# Altium PCB H19R1.PcbDoc (continued)
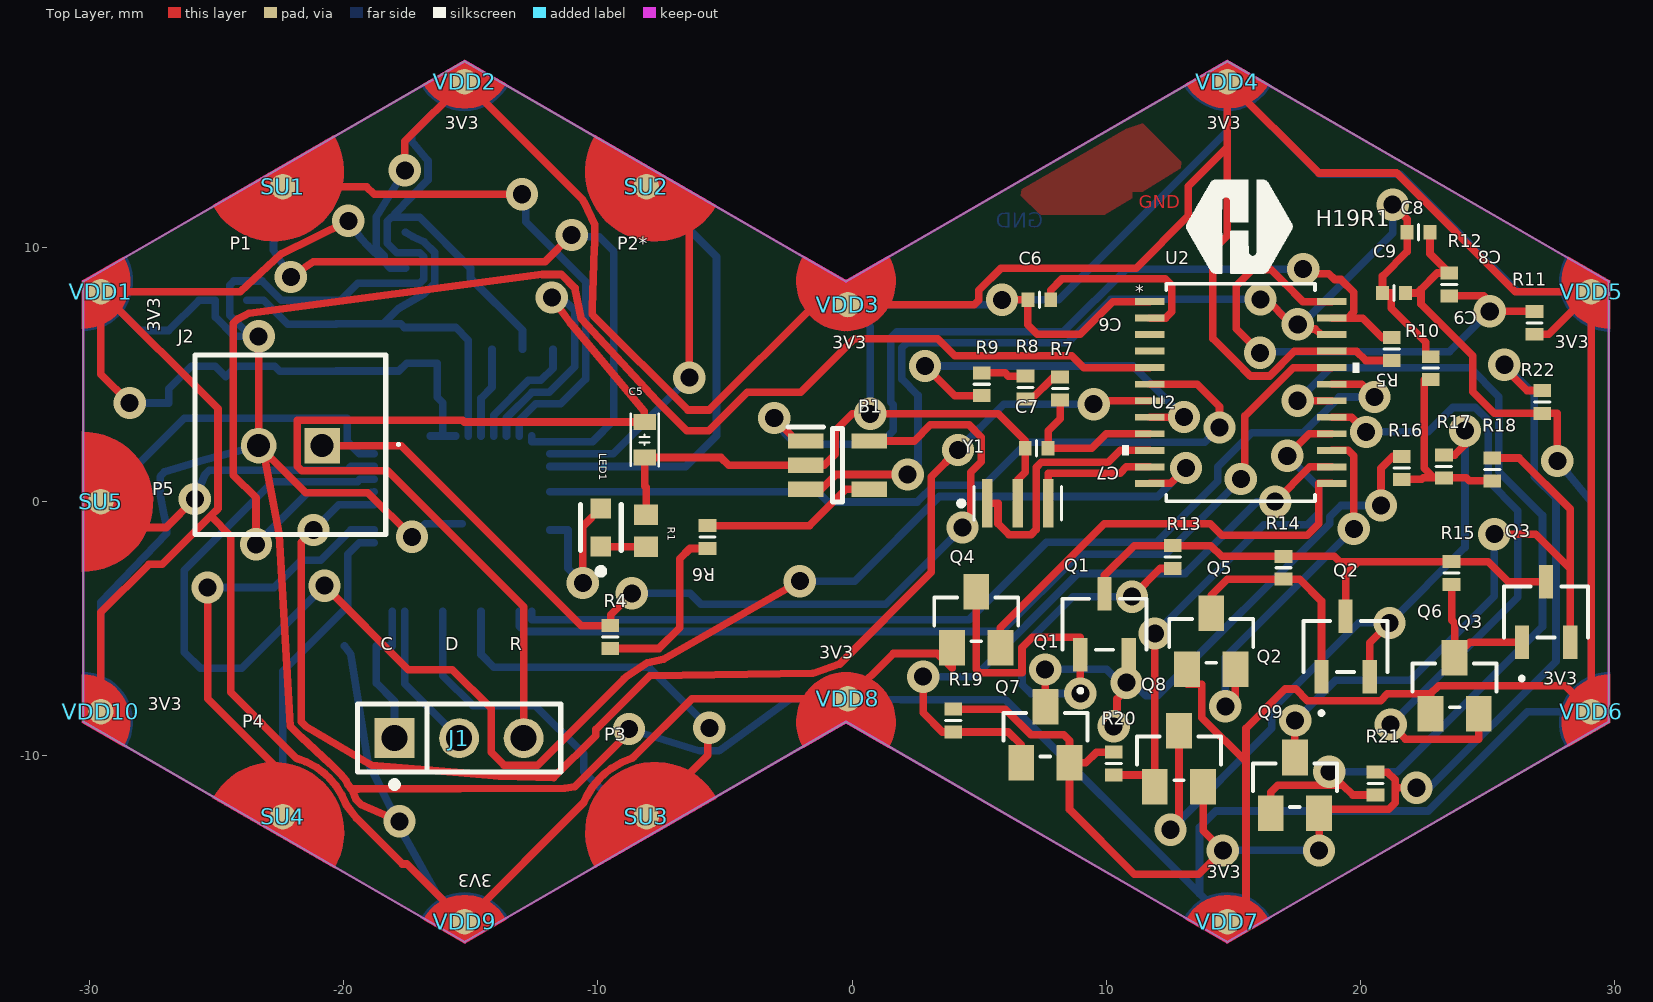
[diagram p0: Top Layer view]
## Part data (continued)
R1: library part "generic Resistor", "Res Thick Film 0603 270 Ohm 5% 0.1W(1/10W) ±200ppm/C Pad SMD Automotive T/R", Case Code (Imperial)=0603, Manufacturer=Panasonic, Manufacturer Part Number=ERJ-3GEYJ271V, Max Operating Temperature=155°C, Max Power Dissipation=100mW, Min Operating Temperature=-55°C, Temperature Coefficient=200ppm/°C, Tolerance=5%, Voltage Rating=75V, Case/Package=0603, Category="Chip SMD Resistors", ComponentLink1Description=https://datasheet.octopart.com:443/ERJ-3GEYJ271V-Panasonic-datasheet-13266872.pdf?src-supplier=RS+(Formerly+Allied+Electronics), ComponentLink1URL=https://datasheet.octopart.com:443/ERJ-3GEYJ271V-Panasonic-datasheet-13266872.pdf?src-supplier=RS+(Formerly+Allied+Electronics), ComponentLink2Description=https://datasheet.octopart.com:443/ERJ-3GEYJ271V-Panasonic-datasheet-5314550.pdf?src-supplier=Future+Electronics, ComponentLink2URL=https://datasheet.octopart.com:443/ERJ-3GEYJ271V-Panasonic-datasheet-5314550.pdf?src-supplier=Future+Electronics, ComponentLink3Description=https://datasheet.octopart.com:443/ERJ-3GEYJ271V-Panasonic-datasheet-61114972.pdf?src-supplier=Panasonic+SCT, ComponentLink3URL=https://datasheet.octopart.com:443/ERJ-3GEYJ271V-Panasonic-datasheet-61114972.pdf?src-supplier=Panasonic+SCT, ComponentLink4Description=https://datasheet.octopart.com:443/ERJ-3GEYJ271V-Panasonic-datasheet-147443676.pdf?src-supplier=Master+Electronics, ComponentLink4URL=https://datasheet.octopart.com:443/ERJ-3GEYJ271V-Panasonic-datasheet-147443676.pdf?src-supplier=Master+Electronics, ComponentLink5Description=https://datasheet.octopart.com:443/ERJ-3GEYJ271V-Panasonic-datasheet-10554283.pdf?src-supplier=element14+APAC, ComponentLink5URL=https://datasheet.octopart.com:443/ERJ-3GEYJ271V-Panasonic-datasheet-10554283.pdf?src-supplier=element14+APAC, ComponentLink6Description=https://datasheet.octopart.com:443/ERJ3GEYJ271V-Panasonic-datasheet-165581512.pdf?src-supplier=TME, ComponentLink6URL=https://datasheet.octopart.com:443/ERJ3GEYJ271V-Panasonic-datasheet-165581512.pdf?src-supplier=TME, ComponentLink7Description=https://datasheet.octopart.com:443/ERJ-3GEYJ271V-Panasonic-datasheet-164353788.pdf?src-supplier=Newark, ComponentLink7URL=https://datasheet.octopart.com:443/ERJ-3GEYJ271V-Panasonic-datasheet-164353788.pdf?src-supplier=Newark, ComponentLink8Description=https://datasheet.octopart.com:443/ERJ3GEYJ271V-Panasonic-datasheet-136608608.pdf?src-supplier=Farnell, ComponentLink8URL=https://datasheet.octopart.com:443/ERJ3GEYJ271V-Panasonic-datasheet-136608608.pdf?src-supplier=Farnell, ComponentLink9Description=https://datasheet.octopart.com:443/ERJ-3GEYJ271V-Panasonic---ECG-datasheet-15994758.pdf?src-supplier=Farnell, ComponentLink9URL=https://datasheet.octopart.com:443/ERJ-3GEYJ271V-Panasonic---ECG-datasheet-15994758.pdf?src-supplier=Farnell, ComponentLink10Description=https://datasheet.octopart.com:443/ERJ-3GEYJ271V-Panasonic-datasheet-5313456.pdf?src-supplier=Farnell, ComponentLink10URL=https://datasheet.octopart.com:443/ERJ-3GEYJ271V-Panasonic-datasheet-5313456.pdf?src-supplier=Farnell, ComponentLink11Description=https://datasheet.octopart.com/ERJ-3GEYJ271V-Panasonic-datasheet-78375410.pdf, ComponentLink11URL=https://datasheet.octopart.com/ERJ-3GEYJ271V-Panasonic-datasheet-78375410.pdf, ComponentLink12Description=https://datasheet.octopart.com/Thick-Film-Chip-Resistors-Panasonic-datasheet-family-105.pdf, ComponentLink12URL=https://datasheet.octopart.com/Thick-Film-Chip-Resistors-Panasonic-datasheet-family-105.pdf, ComponentLink13Description=https://datasheet.octopart.com:443/ERJ-3GEYJ271V-Panasonic-datasheet-7538305.pdf?src-supplier=Jameco, ComponentLink13URL=https://datasheet.octopart.com:443/ERJ-3GEYJ271V-Panasonic-datasheet-7538305.pdf?src-supplier=Jameco, ComponentLink14Description=https://datasheet.octopart.com:443/ERJ-3GEYJ271V-Panasonic-datasheet-118655.pdf?src-supplier=DigiKey, ComponentLink14URL=https://datasheet.octopart.com:443/ERJ-3GEYJ271V-Panasonic-datasheet-118655.pdf?src-supplier=DigiKey, ComponentLink15Description=https://datasheet.octopart.com:443/ERJ3GEYJ271V-Panasonic-datasheet-27908757.pdf?src-supplier=Electro+Sonic, ComponentLink15URL=https://datasheet.octopart.com:443/ERJ3GEYJ271V-Panasonic-datasheet-27908757.pdf?src-supplier=Electro+Sonic, ComponentLink16Description=https://datasheet.octopart.com:443/ERJ-3GEYJ271V-Panasonic-datasheet-37173568.pdf?src-supplier=Electro+Sonic, ComponentLink16URL=https://datasheet.octopart.com:443/ERJ-3GEYJ271V-Panasonic-datasheet-37173568.pdf?src-supplier=Electro+Sonic, Composition="Thick Film", Contact Plating=Tin, Depth=800µm, Features="Automotive AEC-Q200", Height=450µm, Lead Free="Lead Free", Length=1.6mm, Library=Hexabitz, Lifecycle Status=Production, Military Standard=Not, Mounting Technology="Surface Mount", Number of Terminals=2, Number of Terminations=2, Packaging="Cut Tape", Power Dissipation=100mW, Power Rating=100mW, Pricing="5000=0.00355, 10000=0.00348, 20000=0.00342, 30000=0.00335, 40000=0.00329 (USD)", Radiation Hardening=No, REACH SVHC=Yes, RoHS=Compliant, Schedule B="8533210045, 8533210045|8533210045|8533210045|8533210045|8533210045|8533210045|8533210045|8533210045|8533210045|8533210045|8533210045|8533210045|8533210045|8533210045|8533210045|8533210045|8533210045|8533210045|8533210045|8533210045|8533210045|8533210045|8533210045|85", Stock=45000, Supplier=Avnet, Supplier Part Number=ERJ-3GEYJ271V, Termination=SMD/SMT, Voltage Rating (DC)=75V, Width=800µm, Working Voltage=75V
R2: library part "generic Resistor", Library=Hexabitz
R3: library part "generic Resistor", "100mW Thick Film Resistors ±100ppm/℃ ±1% 10kΩ 0603 Chip Resistor - Surface Mount ROHS", Case Code (Imperial)=0603, Manufacturer="Yageo Group", Manufacturer Part Number=RC0603FR-0710KL, Max Operating Temperature=155°C, Min Operating Temperature=-55°C, Power Dissipation=100mW, Supplier Part Number=4023214, Temperature Coefficient=100ppm/°C, Tolerance=1%, Voltage Rating=75V, Voltage Rating (DC)=50V, Case Code (Metric)=0603, Case/Package=0603, Category="Chip SMD Resistors", China RoHS=Non-Compliant, ComponentLink1Description=https://datasheet.octopart.com:443/RC0603FR-0710KL-Yageo-datasheet-175887523.pdf?src-supplier=IHS, ComponentLink1URL=https://datasheet.octopart.com:443/RC0603FR-0710KL-Yageo-datasheet-175887523.pdf?src-supplier=IHS, ComponentLink2Description=https://datasheet.octopart.com:443/RC0603FR-0710KL-Yageo-datasheet-103092701.pdf?src-supplier=Upverter, ComponentLink2URL=https://datasheet.octopart.com:443/RC0603FR-0710KL-Yageo-datasheet-103092701.pdf?src-supplier=Upverter, ComponentLink3Description=https://datasheet.octopart.com:443/RC0603FR-0710KL-Yageo-datasheet-98239111.pdf?src-supplier=Upverter, ComponentLink3URL=https://datasheet.octopart.com:443/RC0603FR-0710KL-Yageo-datasheet-98239111.pdf?src-supplier=Upverter, ComponentLink4Description=https://datasheet.octopart.com:443/RC0603FR-0710KL-Yageo-datasheet-141265859.pdf?src-supplier=Upverter, ComponentLink4URL=https://datasheet.octopart.com:443/RC0603FR-0710KL-Yageo-datasheet-141265859.pdf?src-supplier=Upverter, ComponentLink5Description=https://sigma.octopart.com:443/138820526/technical_drawing/Yageo-RC0603FR-0710KL.pdf?src-supplier=Upverter, ComponentLink5URL=https://sigma.octopart.com:443/138820526/technical_drawing/Yageo-RC0603FR-0710KL.pdf?src-supplier=Upverter, ComponentLink6Description=https://datasheet.octopart.com:443/RC0603FR-0710KL-Yageo-datasheet-8328172.pdf?src-supplier=Farnell, ComponentLink6URL=https://datasheet.octopart.com:443/RC0603FR-0710KL-Yageo-datasheet-8328172.pdf?src-supplier=Farnell, ComponentLink7Description=https://datasheet.octopart.com:443/RC0603FR-0710KL-Yageo-datasheet-13691069.pdf?src-supplier=Farnell, ComponentLink7URL=https://datasheet.octopart.com:443/RC0603FR-0710KL-Yageo-datasheet-13691069.pdf?src-supplier=Farnell, ComponentLink8Description=https://datasheet.octopart.com:443/RC0603FR-0710KL-Yageo-datasheet-62067350.pdf?src-supplier=element14+APAC, ComponentLink8URL=https://datasheet.octopart.com:443/RC0603FR-0710KL-Yageo-datasheet-62067350.pdf?src-supplier=element14+APAC, ComponentLink9Description=https://datasheet.octopart.com:443/RC0603FR-0710KL-Yageo-datasheet-17842380.pdf?src-supplier=element14+APAC, ComponentLink9URL=https://datasheet.octopart.com:443/RC0603FR-0710KL-Yageo-datasheet-17842380.pdf?src-supplier=element14+APAC, ComponentLink10Description=https://datasheet.octopart.com:443/RC0603FR-0710KL-Yageo-datasheet-15599030.pdf?src-supplier=Future+Electronics, ComponentLink10URL=https://datasheet.octopart.com:443/RC0603FR-0710KL-Yageo-datasheet-15599030.pdf?src-supplier=Future+Electronics, ComponentLink11Description=https://datasheet.octopart.com:443/RC0603FR-0710KL-Yageo-datasheet-164759695.pdf?src-supplier=Future+Electronics, ComponentLink11URL=https://datasheet.octopart.com:443/RC0603FR-0710KL-Yageo-datasheet-164759695.pdf?src-supplier=Future+Electronics, ComponentLink12Description=https://datasheet.octopart.com:443/RC0603FR-0710KL-Yageo-datasheet-127823281.pdf?src-supplier=Future+Electronics, ComponentLink12URL=https://datasheet.octopart.com:443/RC0603FR-0710KL-Yageo-datasheet-127823281.pdf?src-supplier=Future+Electronics, ComponentLink13Description=https://datasheet.octopart.com:443/RC0603FR-0710KL-Yageo-datasheet-137700087.pdf?src-supplier=Future+Electronics, ComponentLink13URL=https://datasheet.octopart.com:443/RC0603FR-0710KL-Yageo-datasheet-137700087.pdf?src-supplier=Future+Electronics, ComponentLink14Description=https://datasheet.octopart.com:443/RC0603FR-0710KL-Yageo-datasheet-27584510.pdf?src-supplier=Future+Electronics, ComponentLink14URL=https://datasheet.octopart.com:443/RC0603FR-0710KL-Yageo-datasheet-27584510.pdf?src-supplier=Future+Electronics, ComponentLink15Description=https://datasheet.octopart.com:443/RC0603FR-0710KL-Yageo-datasheet-8324193.pdf?src-supplier=Future+Electronics, ComponentLink15URL=https://datasheet.octopart.com:443/RC0603FR-0710KL-Yageo-datasheet-8324193.pdf?src-supplier=Future+Electronics, ComponentLink16Description=https://datasheet.octopart.com:443/RC0603FR-0710KL-Yageo-datasheet-12596169.pdf?src-supplier=Newark, ComponentLink16URL=https://datasheet.octopart.com:443/RC0603FR-0710KL-Yageo-datasheet-12596169.pdf?src-supplier=Newark, ComponentLink17Description=https://datasheet.octopart.com:443/RC0603FR-0710KL-Yageo-datasheet-503470.pdf?src-supplier=Newark, ComponentLink17URL=https://datasheet.octopart.com:443/RC0603FR-0710KL-Yageo-datasheet-503470.pdf?src-supplier=Newark, ComponentLink18Description=https://datasheet.octopart.com:443/RC0603FR-0710KL-Yageo-datasheet-34211833.pdf?src-supplier=Newark, ComponentLink18URL=https://datasheet.octopart.com:443/RC0603FR-0710KL-Yageo-datasheet-34211833.pdf?src-supplier=Newark, ComponentLink19Description=https://datasheet.octopart.com:443/RC0603FR-0710KL-Yageo-datasheet-79472498.pdf?src-supplier=Megastar, ComponentLink19URL=https://datasheet.octopart.com:443/RC0603FR-0710KL-Yageo-datasheet-79472498.pdf?src-supplier=Megastar, ComponentLink20Description=https://datasheet.octopart.com/RC0603FR-0710KL-Yageo-datasheet-73766026.pdf, ComponentLink20URL=https://datasheet.octopart.com/RC0603FR-0710KL-Yageo-datasheet-73766026.pdf, ComponentLink21Description=https://datasheet.octopart.com:443/RC0603FR-0710KL-Yageo-datasheet-118562.pdf?src-supplier=DigiKey, ComponentLink21URL=https://datasheet.octopart.com:443/RC0603FR-0710KL-Yageo-datasheet-118562.pdf?src-supplier=DigiKey, ComponentLink22Description=http://sigma.octopart.com:80/rohs_statement/Yageo-company-2.pdf?src-supplier=Compliance+Statements, ComponentLink22URL=http://sigma.octopart.com:80/rohs_statement/Yageo-company-2.pdf?src-supplier=Compliance+Statements, ComponentLink23Description=http://sigma.octopart.com:80/conflict_mineral_statement/Yageo-company-3.pdf?src-supplier=Compliance+Statements, ComponentLink23URL=http://sigma.octopart.com:80/conflict_mineral_statement/Yageo-company-3.pdf?src-supplier=Compliance+Statements, Composition="Thick Film", Depth=800µm, Height=450µm, Lead Free="Lead Free", Lead Pitch=300µm, Length=1.6mm, Library=Hexabitz, Lifecycle Status=Production, Military Standard=Not, Mounting Technology="Surface Mount", Number of Terminals=2, Packaging="Tape & Reel", Pins=2, Power Rating=100mW, Pricing="5000=0.001, 25000=0.001, 150000=0.001, 500000=0.0009, 1500000=0.0009 (USD)", REACH SVHC=Yes, RoHS=Compliant, Schedule B="8533210045, 8533210045|8533210045|8533210045|8533210045|8533210045|8533210045|8533210045|8533210045|8533210045|8533210045|8533210045|8533210045|8533210045|8533210045|8533210045|8533210045|8533210045|8533210045|8533210045|8533210045|8533210045|8533210045|8533210045|85", Stock=22990000, Supplier="Future Electronics", Termination=SMD/SMT, Weight=2.012816mg, Width=800µm, Working Voltage=75V
R4 R6 R7 R8 R16 R17 R18: "Res Thick Film 0402 100K Ohm 1% 1/10W ±100ppm/°C Molded SMD Punched Carrier T/R", Case Code (Imperial)=0402, Case Code (Metric)=1005, Manufacturer=Panasonic, Max Operating Temperature=155°C, Min Operating Temperature=-55°C, Package Quantity=10000, Power Rating=100mW, Supplier Part Number=P100KLCT-ND, Supplier Part Number 1=P100KLDKR-ND, Temperature Coefficient=100ppm/°C, Tolerance=1%, Voltage Rating=50V, Category="Chip SMD Resistors", ComponentLink1Description=https://datasheet.ciiva.com/34303/1987038-34303550.pdf?src-supplier=Jameco, ComponentLink1URL=https://datasheet.ciiva.com/34303/1987038-34303550.pdf?src-supplier=Jameco, ComponentLink2Description=https://datasheet.ciiva.com/11821/0900766b80f80784-11821175.pdf?src-supplier=Rs, ComponentLink2URL=https://datasheet.ciiva.com/11821/0900766b80f80784-11821175.pdf?src-supplier=Rs, ComponentLink3Description=https://datasheet.ciiva.com/7830/aoa0000ce2-7830725.pdf?src-supplier=Element14, ComponentLink3URL=https://datasheet.ciiva.com/7830/aoa0000ce2-7830725.pdf?src-supplier=Element14, ComponentLink4Description=https://datasheet.ciiva.com/7830/426256-7830974.pdf?src-supplier=Element14, ComponentLink4URL=https://datasheet.ciiva.com/7830/426256-7830974.pdf?src-supplier=Element14, ComponentLink5Description=https://datasheet.ciiva.com/43467/1678782-43467480.pdf?src-supplier=Farnell, ComponentLink5URL=https://datasheet.ciiva.com/43467/1678782-43467480.pdf?src-supplier=Farnell, ComponentLink6Description=https://datasheet.ciiva.com/22723/426256-22723902.pdf?src-supplier=Element14, ComponentLink6URL=https://datasheet.ciiva.com/22723/426256-22723902.pdf?src-supplier=Element14, ComponentLink7Description=https://datasheet.ciiva.com/16778/70260748-16778055.pdf?src-supplier=Allied+Electronics, ComponentLink7URL=https://datasheet.ciiva.com/16778/70260748-16778055.pdf?src-supplier=Allied+Electronics, ComponentLink8Description=https://datasheet.ciiva.com/16784/70260748-16784190.pdf?src-supplier=Allied+Electronics, ComponentLink8URL=https://datasheet.ciiva.com/16784/70260748-16784190.pdf?src-supplier=Allied+Electronics, Height=0.35mm, Length=1mm, Library=Hexabitz, Manufacturer Part Number=ERJ-2RKF1003X, Packaging="Cut Tape", Pricing="1=0.1, 10=0.028, 100=0.0138, 1000=0.00766, 2500=0.00632, 5000=0.00554 (USD)", RoHS=Yes, RoHS Compliant=Yes, Series=ERJ-2Rx, Stock=3425412, Supplier=Digikey, Supplier 1=Digikey, Technology="THICK FILM", Termination=SMD/SMT, Voltage Rating (DC)=50V, Weight=0.000388oz, Width=0.5mm
R5: "SMD Chip Resistor, 10 Kohm, ½ 1%, 62.5 Mw, 0402 [1005 Metric], Thick Film, General Purpose", Case Code (Imperial)=0402, Case Code (Metric)=1005, Manufacturer=Yageo, Max Operating Temperature=155°C, Max Power Dissipation=63mW, Min Operating Temperature=-55°C, Power Rating=62.5mW, Resistance Tolerance=1%, Resistor Type="Thick Film", Supplier Part Number=311-10.0KLRCT-ND, Supplier Part Number 1=311-10.0KLRDKR-ND, Temperature Coefficient=100ppm/°C, Voltage Rating=50V, Case/Package=0402, Category="Chip SMD Resistors", ComponentLink1Description=https://datasheet.ciiva.com/7660/38568-7660787.pdf?src-supplier=Element14, ComponentLink1URL=https://datasheet.ciiva.com/7660/38568-7660787.pdf?src-supplier=Element14, ComponentLink2Description=https://datasheet.ciiva.com/7849/1686128-7849814.pdf?src-supplier=Element14, ComponentLink2URL=https://datasheet.ciiva.com/7849/1686128-7849814.pdf?src-supplier=Element14, ComponentLink3Description=https://datasheet.ciiva.com/7983/1018594-7983486.pdf?src-supplier=Element14, ComponentLink3URL=https://datasheet.ciiva.com/7983/1018594-7983486.pdf?src-supplier=Element14, ComponentLink4Description=https://datasheet.ciiva.com/22747/1018594-22747512.pdf?src-supplier=Element14, ComponentLink4URL=https://datasheet.ciiva.com/22747/1018594-22747512.pdf?src-supplier=Element14, ComponentLink5Description=https://datasheet.ciiva.com/12667/pyu-rc0402-51-rohs-l-6-r-12667067.pdf?src-supplier=Mouser, ComponentLink5URL=https://datasheet.ciiva.com/12667/pyu-rc0402-51-rohs-l-6-r-12667067.pdf?src-supplier=Mouser, ComponentLink6Description=https://datasheet.ciiva.com/7849/1784430-7849813.pdf?src-supplier=Element14, ComponentLink6URL=https://datasheet.ciiva.com/7849/1784430-7849813.pdf?src-supplier=Element14, ComponentLink7Description=https://datasheet.ciiva.com/7849/1784430-7849815.pdf?src-supplier=Element14, ComponentLink7URL=https://datasheet.ciiva.com/7849/1784430-7849815.pdf?src-supplier=Element14, Construction=Rectangular, Depth=0.5mm, Features="Moisture Resistant", Lead Free=5697LeadFree, Lead Pitch=0.2mm, Length=1mm, Library=Hexabitz, Manufacturer Part Number=RC0402FR-0710KL, Military Standard=Not, Number of Terminations=2, Packaging="Tape and Reel", Pins=2, Pricing="1=0.1, 10=0.02, 100=0.009, 1000=0.00474, 2500=0.00381, 5000=0.00328 (USD)", Reach SVHC Compliant=Unknown, RoHS=Yes, RoHS Compliant=Yes, Series=RC, Stock=1034525, Supplier=Digikey, Supplier 1=Digikey, Supplier 2=Mouser, Supplier Part Number 2=603-RC0402FR-0710KL, Termination=SMD/SMT, Tolerance=1%, Voltage Rating (DC)=50V, Width=0.5mm
R9 R11 R12: "Res Thick Film 0402 20K Ohm 1% 0.063W(1/16W) ±100ppm/C Pad SMD Automotive T/R", Manufacturer="Stackpole Electronics", Supplier Part Number=RMCF0402FT20K0DKR-ND, Voltage Rating=50V, Category="Chip SMD Resistors", ComponentLink1Description=http://components.arrow.com/part/dataview/40959032S7284943N1174?src-supplier=Arrow+Electronics, ComponentLink1URL=http://components.arrow.com/part/dataview/40959032S7284943N1174?src-supplier=Arrow+Electronics, ComponentLink2Description=https://www.seielect.com/catalog/SEI-RMCF_RMCP.pdf?src-supplier=Avnet, ComponentLink2URL=https://www.seielect.com/catalog/SEI-RMCF_RMCP.pdf?src-supplier=Avnet, ComponentLink3Description=https://www.seielect.com/catalog/sei-rmcf_rmcp.pdf?src-supplier=Digikey, ComponentLink3URL=https://www.seielect.com/catalog/sei-rmcf_rmcp.pdf?src-supplier=Digikey, ComponentLink4Description=https://datasheet.octopart.com/RMCF0402FT20K0-Stackpole-Electronics-datasheet-154799224.pdf?src-supplier=Master+Electronics, ComponentLink4URL=https://datasheet.octopart.com/RMCF0402FT20K0-Stackpole-Electronics-datasheet-154799224.pdf?src-supplier=Master+Electronics, Lead Free=5697LeadFree, Library=Hexabitz, Manufacturer Part Number=RMCF0402FT20K0, Pricing="1=0.1, 10=0.019, 100=0.0086, 1000=0.00448, 2500=0.00359, 5000=0.00309 (USD)", RoHS=Yes, Stock=1424339, Supplier=Digikey, Supplier 1=Digikey, Supplier Part Number 1=RMCF0402FT20K0DKR-ND
R10 R13 R14 R15 R19 R20 R21 R22: "SMD Chip Resistor 1 Kohm ½ 1% 62.5 Mw 0402 [1005 Metric] Thick Film General Purpose", Case Code (Imperial)=0402, Case Code (Metric)=1005, Manufacturer=Yageo, Max Operating Temperature=155°C, Max Power Dissipation=63mW, Min Operating Temperature=-55°C, Power Rating=62.5mW, Resistance Tolerance=1%, Resistor Type="Thick Film", Supplier Part Number=311-1.00KLRDKR-ND, Temperature Coefficient=100ppm/°C, Voltage Rating=50V, Case/Package=0402, Category="Chip SMD Resistors", ComponentLink1Description=https://datasheet.ciiva.com/11819/0900766b80c66297-11819477.pdf?src-supplier=Rs, ComponentLink1URL=https://datasheet.ciiva.com/11819/0900766b80c66297-11819477.pdf?src-supplier=Rs, ComponentLink2Description=https://datasheet.ciiva.com/7983/1018594-7983502.pdf?src-supplier=Element14, ComponentLink2URL=https://datasheet.ciiva.com/7983/1018594-7983502.pdf?src-supplier=Element14, ComponentLink3Description=https://datasheet.ciiva.com/22747/1018594-22747513.pdf?src-supplier=Element14, ComponentLink3URL=https://datasheet.ciiva.com/22747/1018594-22747513.pdf?src-supplier=Element14, ComponentLink4Description=https://datasheet.ciiva.com/12666/pyu-rc0402-51-rohs-l-6-r-12666741.pdf?src-supplier=Mouser, ComponentLink4URL=https://datasheet.ciiva.com/12666/pyu-rc0402-51-rohs-l-6-r-12666741.pdf?src-supplier=Mouser, ComponentLink5Description=https://datasheet.ciiva.com/7849/1018594-7849869.pdf?src-supplier=Element14, ComponentLink5URL=https://datasheet.ciiva.com/7849/1018594-7849869.pdf?src-supplier=Element14, ComponentLink6Description=https://datasheet.ciiva.com/7849/1018594-7849871.pdf?src-supplier=Element14, ComponentLink6URL=https://datasheet.ciiva.com/7849/1018594-7849871.pdf?src-supplier=Element14, ComponentLink7Description=https://datasheet.ciiva.com/17063/pyu-rc0402-51-rohs-l-6-r-17063193.pdf?src-supplier=Future+Electronics, ComponentLink7URL=https://datasheet.ciiva.com/17063/pyu-rc0402-51-rohs-l-6-r-17063193.pdf?src-supplier=Future+Electronics, Construction=Rectangular, Depth=0.5mm, Features="Moisture Resistant", Height=0.32mm, Lead Free=5697LeadFree, Length=1mm, Library=Hexabitz, Manufacturer Part Number=RC0402FR-071KL, Military Standard=Not, Number of Terminations=2, Packaging="Tape and Reel", Pins=2, Pricing="1=0.1, 10=0.007, 100=0.0061, 1000=0.0051, 2500=0.00408 (USD)", Reach SVHC Compliant=No, RoHS=Yes, RoHS Compliant=Yes, Series=RC, Stock=2438980, Supplier=Digikey, Supplier 1=Digikey, Supplier Part Number 1=311-1.00KLRDKR-ND, Technology="THICK FILM", Termination=SMD/SMT, Tolerance=1%, Voltage Rating (AC)=50V, Voltage Rating (DC)=50V, Width=0.5mm
SD1 SD2 SD3 SD4 SD5: library part HEXABIT_UART_PORT_D
SU1 SU2 SU3 SU4 SU5: library part HEXABIT_UART_PORT_U
U1: "MCU 32-bit ARM Cortex M0+ RISC 512KB Flash 1.8V/2.5V/3.3V 48-Pin UFQFPN EP Tray", Manufacturer=STMicroelectronics, Supplier Part Number=497-STM32G0B1CEU6-ND, Category=Microcontrollers, Library=Hexabitz, Manufacturer Part Number=STM32G0B1CEU6, Pricing="1=4.78, 10=3.635, 25=3.3488, 100=3.0347, 260=2.87923, 520=2.7899, 1040=2.71638, 2600=2.63877 (USD)", RoHS=Yes, Stock=4305, Supplier=Digikey, Supplier 1=Digikey, Supplier Part Number 1=497-STM32G0B1CEU6-ND
U2: "No Description Available", Manufacturer_Name="Toshiba Electronic Devices & Storage Corp.", Copyright="Copyright (C) 2025 Ultra Librarian. All rights reserved.", Manufacturer_Part_Number=TB6575FNG,C,8,EL, RefDes=RefDes, Type=Type
VDD1 VDD2 VDD4 VDD5 VDD6 VDD7 VDD9 VDD10: library part HEXABIT_POWER_PORT_U
VDD3: library part HEXABIT_POWER_PORT_U_300R
VDD8: library part HEXABIT_POWER_PORT_U_300L
X1: "Ceramic Resonator 8MHz ±0.5% (Tol) ±0.2% (Stability) 10pF 40Ohm 3-Pin CSMD T/R", Case Code (Imperial)=1206, Case Code (Metric)=3216, Frequency=8MHz, Frequency Stability=0.2%, Frequency Tolerance=0.5%, Load Capacitance=10pF, Manufacturer=Murata, Max Operating Temperature=125°C, Min Operating Temperature=-40°C, Package Quantity=1, Case/Package=1206, Category=Capacitors, Contact Plating=Gold, Height=0.031inch, Impedance=40R, Length=3.2mm, Library=Hexabitz, Manufacturer Part Number=CSTCE8M00G52Z-R0, Mounting Technology="Surface Mount", Packaging="Tape and Reel", Pins=3, RoHS Compliant=Yes, Self Resonant Frequency=8MHz, Series=CERALOCK®, Termination=SMD/SMT, Tolerance=0.5%, Width=1.3mm
Y1: "19.2MHz Ceramic Resonator Built in Capacitor 15pF Â±0.11% -40Â°C ~ 85Â°C Surface Mount", Package="SMD-3 Murata", Check_prices=https://www.snapeda.com/parts/CSTNE19M2VH3L000R0/Murata/view-part/?ref=eda, Digi-Key_Part_Number=490-18268-2-ND, MF="Murata Electronics", MP=CSTNE19M2VH3L000R0, Purchase-URL=https://pricing.snapeda.com/search/part/CSTNE19M2VH3L000R0/?ref=eda, SnapEDA_Link=https://www.snapeda.com/parts/CSTNE19M2VH3L000R0/Murata/view-part/?ref=snap

## Via types
v1: diameter 1.27, hole 0.711, Top Layer to Bottom Layer, 66 vias

## Nets (pads, with @x,y where several pads share a name; then routed paths per layer and width w, separated by ;. In a path a pad name is that pad's centre, name@x,y a point inside that pad or via, vN(x,y) a via of type N, cw(c..) or ccw(c..) an arc to the next point about the centre after c; other vN are vias at no path point)
CLK_BOOT: J1.1 R3.1 U1.36 | length 5.9
  Bottom Layer w0.3: U1.36 -18.094,-5.678 R3.1 -18.716,-7.131 -17.998,-7.849 J1.1
DATA: J1.2 U1.35 | length 5.9
  Bottom Layer w0.3: U1.35 -17.594,-7.164 J1.2
Duty: U1.25 U2.19 | length 39.3
  Top Layer w0.3: U2.19 20.044,4.62 v1(20.549,4.115)
  Bottom Layer w0.3: U1.25 -12.594,-4.648 4.597,-4.648 7.645,-1.6 11.984,-1.6 14.381,0.796 14.381,1.376 15.718,2.713 17.75,2.713 19.152,4.115 v1(20.549,4.115)
FG: U1.44 U2.7 | length 52.8
  Top Layer w0.3: v1(-21.184,-1.118) -21.669,-1.603 -21.669,-8.535 -21.669,-8.659 -21.493,-8.835 -18.897,-10.36 -13.867,-10.788 -11.73,-10.847 -10.082,-9.199 -10.082,-8.963 -7.962,-6.843 -1.55,-6.755 -0.496,-6.389 3.118,-2.775 3.118,0.985 v1(4.166,2.032) ; v1(9.5,3.835) 9.634,3.97 U2.7
  Bottom Layer w0.3: v1(-21.184,-1.118) -20.182,-0.116 U1.44 ; v1(4.166,2.032) 5.969,3.835 v1(9.5,3.835)
GND: B1.2 C5.1 C6.1 C7.1 C8.2 C9.2 D1.1 GND1.Pwr_D GND2.Pwr_D GND3.Pwr_D GND4.Pwr_D GND5.Pwr_D GND6.Pwr_D GND7.Pwr_D GND8.Pwr_D GND9.Pwr_D GND10.Pwr_D J2.1 R1.1 R2.1 R3.2 R12.2 R22.1 U1.49 U2.1 X1.P$2 Y1.2 | length 259.6
  Top Layer w0.3: v1(-23.342,6.502) J2.1 ; v1(-17.798,-12.571) -19.326,-11.903 -19.501,-11.728 -19.644,-11.359 -19.699,-11.303 ; v1(-17.308,-1.385) -19.044,0.351 -21.488,0.351 J2.1 ; v1(-8.777,-8.945) -8.777,-9.082 -10.911,-11.215 -11.306,-11.272 -19.423,-11.303 -19.6,-11.303 -19.699,-11.303 ; R1.1 -8.103,0.559 -8.163,0.619 C5.1 -5.156,1.736 -4.855,1.434 B1.2 -1.092,1.434 -0.66,1.866 -0.66,2.794 0,3.454 v1(0.711,3.454) 5.743,3.454 6.81,2.387 C7.1 6.81,1.159 6.515,0.863 Y1.2 ; v1(5.893,7.937) C6.1 6.913,6.955 7.29,6.578 8.966,6.578 10.257,7.87 U2.1 ; C9.2 22.225,8.209 22.377,8.362 ; C8.2 22.729,9.752 R12.2 23.01,8.994 22.377,8.362 ; v1(27.737,1.6) 27.737,3.474 R22.1 25.263,3.474 24.409,4.327 24.409,5.74 22.377,7.772 22.377,8.362 ; J2.1 -23.167,2.029 -22.534,-1.3 -22.094,-8.835 -21.669,-9.26 -20.539,-10.297 -20.129,-10.707 -19.896,-10.974 -19.827,-11.128 -19.699,-11.303
  Bottom Layer w0.3: GND10.Pwr_D -29.547,-3.959 -26.95,-1.238 -26.95,-0.99 -27.073,-0.47 -27.218,0.252 -27.218,0.956 -27.177,1.04 -27.042,1.174 -25.464,1.655 J2.1 ; GND1.Pwr_D -28.022,6.735 D1.1 -25.686,7.928 R2.1 -25.054,7.264 -24.292,6.502 v1@-23.526,6.502 ; v1(-23.342,6.502) -23.528,6.688 -23.828,6.688 -24.479,7.339 -24.479,8.516 -24.318,8.678 -23.2,8.678 -22.45,7.928 -20.106,7.928 -19.439,8.596 -17.006,8.596 -16.845,8.757 -16.845,9.625 -17.006,9.786 -17.914,9.786 -18.285,10.157 -18.285,11.025 -18.124,11.186 -17.006,11.186 -15.009,9.189 -15.009,8.791 -12.963,6.744 X1.P$2 ; R3.2 -19.716,-6.003 -19.058,-10.199 -17.973,-12.396 v1(-17.798,-12.571) -17.798,-12.82 -16.36,-15.4 GND9.Pwr_D ; -17.98,11.329 -16.682,12.653 -16.682,13.407 -17.326,14.186 -17.326,14.434 GND2.Pwr_D ; v1(-17.308,-1.385) -16.79,-0.866 U1.49 ; v1(-8.777,-8.945) -5.992,-9.804 -5.238,-9.804 -2.413,-7.752 GND8.Pwr_D 1.925,-7.794 6.034,-7.794 13.665,-15.425 ; v1(0.711,3.454) 0.711,6.873 GND3.Pwr_D v1@5.707,7.752 ; v1@5.992,7.752 v1@5.707,7.752 ; GND7.Pwr_D 13.665,-15.425 ; v1(27.737,1.6) 29.07,0 ; v1@5.707,7.752 v1(5.893,7.937) 8.129,7.937 14.76,14.568 GND4.Pwr_D 18.402,12.878 21.565,12.878 26.182,8.26 GND5.Pwr_D 29.07,0 ; 13.665,-15.425 13.665,-12.802 14.3,-12.167 22.657,-12.167 26.563,-8.26 GND6.Pwr_D 29.07,0
LA: U1.46 U2.12 | length 63.1
  Top Layer w0.3: v1(-20.752,-3.302) -17.45,-6.604 -15.723,-6.604 -14.199,-8.128 -14.199,-9.855 -13.691,-10.363 -12.361,-10.363 -8.969,-6.971 -8.881,-6.884 -8.051,-6.33 -7.419,-6.199 v1(-2.057,-3.124) ; U2.12 12.531,0.72 v1(13.132,1.321)
  Bottom Layer w0.3: v1(-20.752,-3.302) -24.003,-6.553 -25.629,-6.553 -26.264,-5.918 -26.264,-2.696 -22.779,0.789 -19.455,0.789 -19.36,0.884 U1.46 ; v1(-2.057,-3.124) 0.102,-3.124 3.429,0.203 12.014,0.203 v1(13.132,1.321)
LAP: U1.26 U2.20 | length 38.3
  Top Layer w0.3: v1(15.291,0.889) 15.448,1.046 15.448,3.367 17.35,5.27 U2.20
  Bottom Layer w0.3: U1.26 -13.094,-4.89 -12.878,-5.106 5.893,-5.106 8.934,-2.064 12.338,-2.064 v1(15.291,0.889)
MOTOR_U: Q1.2 Q7.3 R16.2 | length 23.9
  Top Layer w0.3: v1(7.595,-6.597) 7.602,-6.604 Q7.3 ; v1(10.285,-8.835) 10.42,-8.701 10.42,-7.75 10.789,-7.381 v1(10.789,-7.118) 10.833,-7.074 10.833,-6.061 Q1.2 ; v1(20.803,-0.153) 20.803,1.319 21.26,1.777 R16.2
  Bottom Layer w0.3: v1(7.595,-6.597) 10.006,-6.597 10.527,-7.118 11.052,-7.118 11.558,-7.624 12.024,-7.624 18.785,-0.864 18.785,-0.595 19.228,-0.153 v1(20.803,-0.153)
MOTOR_V: Q2.2 Q8.3 R17.2 | length 29.2
  Top Layer w0.3: v1(12.522,-12.903) 12.857,-12.569 Q8.3 ; Q2.2 20.36,-5.546 v1(21.137,-4.769) ; R17.2 23.698,1.837 24.105,2.243 v1(24.105,2.794)
  Bottom Layer w0.3: v1(12.522,-12.903) 16.51,-8.916 16.51,-8.179 19.92,-4.769 v1(21.137,-4.769) 24.105,-1.801 v1(24.105,2.794)
MOTOR_W: Q3.2 Q9.3 R18.2 | length 26.4
  Top Layer w0.3: Q9.3 17.417,-8.618 v1(17.424,-8.611) ; R18.2 26.238,1.716 28.242,-0.288 28.242,-2.632 ; v1(25.26,-1.276) 26.886,-1.276 28.242,-2.632 ; Q3.2 28.242,-2.632
  Bottom Layer w0.3: v1(17.424,-8.611) 19.013,-7.022 21.953,-7.022 25.26,-3.714 v1(25.26,-1.276)
MotorOut: R10.1 R16.1 R17.1 R18.1 | length 7.9
  Top Layer w0.3: R16.1 22.403,0.877 22.463,0.937 22.885,0.937 ; R10.1 22.505,4.8 22.505,1.318 22.885,0.937 ; R18.1 24.276,0.816 24.155,0.937 R17.1 22.885,0.937
NetB1_1: B1.1 R5.1 U2.23 | length 34.3
  Top Layer w0.3: v1(-3.061,3.289) -2.156,2.384 B1.1 ; v1(17.742,9.148) 17.927,8.963 18.751,8.963 18.977,8.737 19.228,8.737 19.736,8.229 19.736,7.467 19.488,7.22 ; U2.23 19.488,7.22 ; R5.1 20.853,6.455 20.088,7.22 19.488,7.22
  Bottom Layer w0.3: v1(-3.061,3.289) -3.15,3.2 -2.21,2.26 1.092,2.26 1.626,2.794 1.626,3.81 1.524,3.911 1.524,6.451 1.753,6.68 8.306,6.68 10.774,9.148 v1(17.742,9.148)
NetB1_4: B1.4 R6.1 | length 7
  Top Layer w0.3: R6.1 -1.678,-0.941 -0.253,0.484 B1.4
NetC6_2: C6.2 U2.2 | length 7.4
  Top Layer w0.3: C6.2 7.813,8.321 8.255,8.763 12.319,8.763 12.573,8.509 12.573,7.467 12.325,7.22 U2.2
NetC7_2: C7.2 R7.1 U2.9 | length 6.3
  Top Layer w0.3: R7.1 8.181,3.265 7.71,2.794 C7.2 9.423,2.103 9.99,2.67 U2.9
NetLED1_1: LED1.1 R1.2 | length 1.8
  Top Layer w0.3: LED1.1 -9.017,-1.766 -9.015,-1.768 R1.2
NetLED1_2: LED1.2 U1.19 | length 6.3
  Top Layer w0.3: v1(-10.592,-3.201) -10.592,-0.977 LED1.2
  Bottom Layer w0.3: U1.19 -11.176,-1.116 -11.176,-2.616 v1(-10.592,-3.201)
NetQ1_1: Q1.1 Q4.3 R13.1 | length 21.7
  Top Layer w0.3: Q4.3 4.884,-6.586 5.029,-6.731 6.68,-6.731 6.68,-5.741 7.087,-5.334 8.977,-5.334 Q1.1 v1(8.977,-7.544) ; v1(11.008,-3.734) 12.116,-2.627 R13.1
  Bottom Layer w0.3: v1(8.977,-7.544) 7.036,-7.544 6.68,-7.188 6.68,-5.741 8.686,-3.734 v1(11.008,-3.734)
NetQ1_3: Q1.3 Q2.3 Q3.3 R13.2 R14.2 R15.2 | length 21.5
  Top Layer w0.3: Q1.3 9.927,-2.899 11.1,-1.727 R13.2 14.113,-1.727 14.535,-2.149 R14.2 18.97,-2.149 19.182,-2.361 19.905,-2.361 ; Q2.3 19.41,-2.855 19.905,-2.361 ; Q3.3 25.804,-3.146 25.019,-2.361 R15.2 19.905,-2.361
NetQ2_1: Q2.1 Q5.3 R14.1 | length 8.6
  Top Layer w0.3: Q5.3 14.125,-3.682 14.757,-3.049 R14.1 17.602,-3.049 18.46,-3.907 Q2.1
NetQ3_1: Q3.1 Q6.3 R15.1 | length 5.8
  Top Layer w0.3: R15.1 23.578,-4.655 23.698,-4.775 Q6.3 24.301,-5.534 Q3.1
NetQ7_2: Q7.2 Q8.2 Q9.2 R19.2 R20.2 R21.2 R22.2 | length 53.2
  Top Layer w0.3: R19.2 6.026,-8.159 7.036,-9.17 8.323,-9.17 8.552,-9.398 Q7.2 ; R20.2 9.613,-9.85 9.195,-10.268 Q7.2 ; Q8.2 13.807,-12.943 v1(14.58,-13.716) 13.64,-14.656 11.1,-14.656 8.552,-12.108 Q7.2 ; v1(18.367,-13.716) Q9.2 18.367,-12.091 21.107,-12.091 21.361,-11.837 21.361,-11.252 ; R21.2 21.057,-10.636 21.361,-10.94 21.361,-11.252 ; v1(22.2,-11.252) 21.361,-11.252 ; v1(25.654,5.385) 25.654,5.263 26.543,4.374 R22.2
  Bottom Layer w0.3: v1(14.58,-13.716) v1(18.367,-13.716) ; v1(22.2,-11.252) 22.708,-11.252 27.686,-6.274 27.686,0.127 26.822,0.99 26.822,4.216 v1(25.654,5.385)
NetR4_1: R4.1 R6.2 | length 7
  Top Layer w0.3: R4.1 -7.595,-5.774 -6.782,-4.961 -6.782,-2.248 -6.375,-1.841 R6.2
NetR7_2: R7.2 R8.1 | length 1.7
  Top Layer w0.3: R8.1 7.061,4.039 7.921,4.899 R7.2
NetR8_2: R8.2 R9.2 | length 1.8
  Top Layer w0.3: R9.2 6.016,5.068 6.145,4.939 R8.2
NetR9_1: R9.1 U2.8 | length 15.1
  Top Layer w0.3: v1(2.87,5.334) 4.036,4.168 R9.1 ; U2.8 13.048,3.32 v1(13.056,3.327)
  Bottom Layer w0.3: v1(2.87,5.334) 11.049,5.334 v1(13.056,3.327)
NetU1_1: U1.1
NetU1_2: U1.2
NetU1_3: U1.3
NetU1_8: U1.8 X1.P$3 | length 3.6
  Bottom Layer w0.3: U1.8 -14.594,4.064 -14.163,4.495 X1.P$3
NetU1_9: U1.9 X1.P$1 | length 4.7
  Bottom Layer w0.3: U1.9 -14.094,3.402 -12.728,4.768 -12.239,4.768 -11.763,5.244 X1.P$1
NetU1_15: U1.15
NetU1_17: U1.17
NetU1_18: U1.18
NetU1_20: U1.20
NetU1_21: U1.21
NetU1_22: U1.22
NetU1_23: U1.23
NetU1_24: U1.24
NetU1_27: U1.27
NetU1_28: U1.28
NetU1_30: U1.30
NetU1_31: U1.31
NetU1_33: U1.33
NetU1_34: U1.34
NetU1_37: U1.37
NetU1_38: U1.38
NetU1_39: U1.39
NetU1_40: U1.40
NetU1_43: U1.43
NetU2_3: U2.3
NetU2_4: U2.4
NetU2_10: U2.10 Y1.1 | length 10.2
  Top Layer w0.3: Y1.1 5.74,-0.066 5.74,-0.864 6.172,-1.296 7.036,-1.296 7.239,-1.092 7.239,1.344 7.442,1.548 10.069,1.548 10.541,2.02 U2.10
NetU2_11: U2.11 Y1.3 | length 5.3
  Top Layer w0.3: Y1.3 7.715,1.123 10.544,1.123 10.791,1.37 U2.11
NRST: C5.2 J1.3 U1.10 | length 45.6
  Top Layer w0.3: J1.3 -12.918,-4.126 -18.263,1.219 -21.645,1.219 -21.819,1.392 -21.819,3.2 -15.316,3.2 -15.251,3.136 C5.2@-8.179,3.136 ; v1(-11.811,8.026) -11.076,7.022 -11.042,6.978 -8.179,3.56 C5.2@-8.179,3.136 ; C5.2 C5.2@-8.179,3.136
  Bottom Layer w0.3: U1.10 -13.594,3.301 -12.589,4.306 -11.912,4.306 -10.908,5.311 -10.908,7.518 -11.416,8.026 v1(-11.811,8.026)
OC: B1.3 C8.1 C9.1 R10.2 U2.22 | length 43.6
  Top Layer w0.3: B1.3 -1.218,0.484 -0.635,1.067 v1(2.184,1.067) ; v1(16.062,7.957) 16.303,7.957 17.197,7.064 17.438,7.064 17.712,6.79 18.222,6.79 U2.22@18.428,6.584 ; v1(21.26,11.684) 21.829,11.115 C8.1 21.829,9.841 20.863,8.874 C9.1 21.209,8.209 21.209,7.611 22.557,6.263 22.557,5.7 R10.2
  Bottom Layer w0.3: v1(2.184,1.067) 2.591,1.473 2.591,4.191 1.956,4.826 1.956,6.045 2.166,6.255 8.482,6.255 10.184,7.957 16.303,7.957 17.459,6.802 17.459,6.766 21.26,10.566 v1(21.26,11.684)
  other v1: 17.526,6.976
OUT_UN: Q7.1 R19.1 U2.14 | length 26
  Top Layer w0.3: v1(2.794,-6.884) 2.794,-8.306 3.547,-9.059 R19.1 6.147,-9.059 6.652,-9.564 Q7.1 ; v1(16.639,0) 18.009,1.37 U2.14
  Bottom Layer w0.3: v1(2.794,-6.884) 4.826,-6.884 8.885,-2.824 13.102,-2.824 15.926,0 v1(16.639,0)
OUT_UP: Q4.2 U2.13 | length 17.5
  Top Layer w0.3: Q4.2 5.834,-4.953 9.922,-0.865 14.087,-0.865 14.538,-1.316 17.908,-1.316 18.36,-0.864 18.36,0.72 U2.13
OUT_VN: Q8.1 R20.1 U2.16 | length 21.4
  Top Layer w0.3: R20.1 11.691,-10.751 11.691,-11.205 Q8.1 v1(11.907,-5.188) ; v1(17.116,1.803) 17.982,2.67 U2.16
  Bottom Layer w0.3: v1(11.907,-5.188) 16.184,-0.91 17.907,-0.91 18.36,-0.457 18.36,0.559 v1(17.116,1.803)
OUT_VP: Q5.2 U2.15 | length 14.5
  Top Layer w0.3: v1(14.681,-8.052) 15.075,-7.658 Q5.2 ; U2.15 19.52,2.02 19.736,1.803 v1(19.736,-1.067)
  Bottom Layer w0.3: v1(14.681,-8.052) 14.681,-6.122 v1(19.736,-1.067)
OUT_WN: Q9.1 R21.1 U2.18 | length 36.7
  Top Layer w0.3: Q9.1 16.467,-11.43 16.746,-11.151 19.304,-11.151 ; v1(17.526,3.97) U2.18 ; v1(18.771,-10.617) 19.304,-11.151 ; R21.1 19.689,-11.536 19.304,-11.151
  Bottom Layer w0.3: v1(17.526,3.97) 18.819,5.263 24.306,5.263 25.44,4.129 25.44,1.179 27.153,-0.534 27.153,-4.916 21.451,-10.617 v1(18.771,-10.617)
OUT_WP: Q6.2 U2.17 | length 26.2
  Top Layer w0.3: U2.17 19.642,3.32 v1(20.218,2.743) ; v1(21.184,-8.763) 21.768,-9.347 24.648,-9.347 Q6.2
  Bottom Layer w0.3: v1(20.218,2.743) 22.657,2.743 23.618,3.704 24.511,3.704 25.015,3.2 25.015,0.817 26.187,-0.356 26.187,-3.759 v1(21.184,-8.763)
Rotation: U1.16 U2.6 | length 31.6
  Top Layer w0.3: U2.6 13.567,4.62 14.453,3.734 v1(14.453,2.921)
  Bottom Layer w0.3: U1.16 -1.349,0.384 -0.954,-0.011 2.565,-0.011 3.227,0.65 5.197,0.65 6.883,2.337 13.868,2.337 v1(14.453,2.921)
UART1_RX: SD3.UART_D U1.32 | length 13.2
  Bottom Layer w0.3: U1.32 -16.094,-6.843 -14.91,-8.027 -12.454,-8.027 -10.558,-9.922 -10.558,-10.617 -8.785,-12.39 SD3.UART_D
UART1_TX: SU3.UART_U U1.29 | length 16.4
  Top Layer w0.3: SU3.UART_U -5.679,-9.979 -5.679,-8.957 v1(-5.615,-8.894)
  Bottom Layer w0.3: U1.29 -14.594,-6.011 -14.097,-6.508 -8.001,-6.508 v1(-5.615,-8.894)
UART2_RX: SD2.UART_D U1.14 | length 18
  Bottom Layer w0.3: U1.14 -6.538,1.384 -5.334,2.588 -5.334,9.634 SD2.UART_D
UART2_TX: SU2.UART_U U1.13 | length 14.9
  Top Layer w0.3: SU2.UART_U -6.401,10.701 v1(-6.401,4.877)
  Bottom Layer w0.3: U1.13 -9.394,1.884 v1(-6.401,4.877)
UART3_RX: SD5.UART_D U1.48 | length 13.2
  Bottom Layer w0.3: SD5.UART_D -26.274,3.276 -19.863,3.276 -19.863,2.367 -19.38,1.884 U1.48
UART3_TX: SU5.UART_U U1.47 | length 12.4
  Top Layer w0.3: SU5.UART_U -28.534,-1.016 -26.974,-1.016 v1(-25.849,0.109)
  Bottom Layer w0.3: v1(-25.849,0.109) -25.463,1.054 -25.287,1.23 -19.863,1.23 -19.709,1.384 U1.47
UART4_RX: SD1.UART_D U1.12 | length 27.9
  Top Layer w0.3: v1(-22.074,8.838) -21.193,9.441 -12.08,9.441 v1(-11.031,10.49)
  Bottom Layer w0.3: SD1.UART_D -22.758,12.022 -22.758,9.9 v1(-22.074,8.838) ; U1.12 -12.594,2.362 -10.211,2.362 -9.373,3.2 -9.373,9.845 -9.946,10.419 -10.959,10.419 v1(-11.031,10.49)
UART4_TX: SU1.UART_U U1.11 | length 21.7
  Top Layer w0.3: SU1.UART_U -19.101,12.39 -18.801,12.09 v1(-12.979,12.09)
  Bottom Layer w0.3: U1.11 -13.094,3.2 -12.447,3.847 -11.462,3.847 -10.483,4.826 -10.483,8.655 -12.833,11.005 -12.833,11.944 v1(-12.979,12.09)
UART5_RX: SD4.UART_D U1.41 | length 12.6
  Bottom Layer w0.3: SD4.UART_D -22.39,-6.663 -19.842,-4.115 -19.842,-2.076 -19.382,-1.616 U1.41
UART5_TX: SU4.UART_U U1.42 | length 17.7
  Top Layer w0.3: v1(-25.349,-3.378) -25.349,-7.75 -22.39,-10.709 SU4.UART_U
  Bottom Layer w0.3: v1(-25.349,-3.378) -22.74,-3.378 -21.669,-2.307 -20.904,-2.307 -19.713,-1.116 U1.42
VDD: C1.2 C2.1 C3.2 C4.2 D1.2 FB1.1 FB1.2 Q4.1 Q5.1 Q6.1 R5.2 R11.1 U1.4 U1.5 U1.6 U2.21 VDD1.Pwr_U VDD2.Pwr_U VDD3.Pwr_U VDD4.Pwr_U VDD5.Pwr_U VDD6.Pwr_U VDD7.Pwr_U VDD8.Pwr_U VDD9.Pwr_U VDD10.Pwr_U | length 237.5
  Top Layer w0.3: VDD10.Pwr_U -29.547,-4.35 -27.652,-2.455 -27.127,-2.455 -25.232,-0.561 ; v1(-28.417,3.88) -29.547,5.01 VDD1.Pwr_U ; -20.554,-10.883 -20.715,-10.722 -21,-10.5 -21.071,-10.445 -21.473,-10.227 cw(c-21.342,-9.985) -21.474,-10.226 -21.497,-10.226 -21.804,-10.109 -21.857,-10.085 -24.439,-7.502 -24.439,-1.353 -25.232,-0.561 ; -20.553,-10.884 -20.322,-11.149 ; -20.321,-11.15 -20.317,-11.157 -20.252,-11.257 -20.085,-11.519 -20.069,-11.535 -20.057,-11.563 -19.926,-11.861 -19.894,-11.936 -19.878,-11.952 -19.491,-12.45 -17.692,-14.25 -17.51,-14.25 VDD9.Pwr_U -10.565,-11.845 -10.449,-11.607 -10.212,-11.214 -9.92,-10.879 -9.759,-10.717 ; v1(-19.816,11.045) -22.45,9.748 -24.063,8.26 VDD1.Pwr_U ; v1(-17.592,13.03) -17.592,14.168 VDD2.Pwr_U -10.61,11.89 -10.55,11.803 -10.121,10.867 -10.121,10.113 -10.138,9.969 -10.226,7.613 -10.226,7.364 -10.138,7.276 -6.469,3.607 -5.619,3.607 -1.474,7.752 VDD3.Pwr_U 4.807,7.752 4.983,7.928 4.983,8.314 5.856,9.188 11.169,9.188 13.22,11.239 13.22,12.398 14.76,13.938 ; -9.758,-10.717 -9.474,-10.497 -9.381,-10.441 -9.078,-10.261 -8.642,-10.084 -8.582,-10.036 -6.298,-7.752 VDD8.Pwr_U 1.612,-5.973 3.353,-5.973 3.934,-6.553 Q4.1 ; Q5.1 13.175,-7.188 13.759,-7.188 13.759,-8.501 15.494,-10.236 ; VDD7.Pwr_U 15.494,-15.786 15.494,-10.236 ; R5.2 20.202,5.555 19.837,5.92 17.399,5.92 16.422,4.943 15.668,4.943 15.048,5.562 14.192,6.419 14.192,9.894 14.76,10.462 14.76,13.938 ; Q6.1 22.748,-7.569 22.748,-7.561 ; R11.1 27.394,6.584 VDD5.Pwr_U ; VDD1.Pwr_U -24.939,3.653 -24.939,-0.268 -25.232,-0.561 ; 14.76,13.938 VDD4.Pwr_U 18.351,12.928 21.412,12.928 26.081,8.26 VDD5.Pwr_U ; 15.494,-10.236 15.494,-8.909 17.037,-7.366 17.444,-7.366 17.906,-7.828 20.783,-7.828 21.05,-7.561 22.748,-7.561 ; 22.748,-7.561 23.079,-7.239 28.049,-7.239 VDD6.Pwr_U VDD5.Pwr_U
  Bottom Layer w0.3: v1(-28.417,3.88) -26.879,3.88 D1.2 -25.989,5.324 FB1.1 -24.641,4.915 -24.231,5.324 FB1.2 -22.708,5.324 -22.512,5.129 C4.2 -20.295,5.129 -20.284,5.14 C2.1 -17.831,5.14 -17.519,5.451 C1.2 -16.324,4.116 -16.094,3.886 U1.5 ; v1(-19.816,11.045) -19.31,10.34 -19.041,10.071 -18.405,9.435 ; v1(-17.592,13.03) -18.71,11.201 -18.71,9.981 -18.405,9.676 -18.405,9.435 ; C3.2 -18.161,9.191 -18.405,9.435 ; U1.4 U1.5 ; U1.6 U1.5
VDD/2: R11.2 R12.1 U2.24 | length 21.3
  Top Layer w0.3: v1(16.045,5.853) 15.102,6.796 15.102,8.493 15.734,9.125 16.488,9.125 17.021,8.592 17.021,8.582 17.734,7.87 U2.24 ; R12.1 24.841,8.094 v1@25.451,7.484 ; v1(25.078,7.484) v1@25.451,7.484 ; R11.2 v1@25.451,7.484
  Bottom Layer w0.3: v1(16.045,5.853) 16.093,5.9 23.494,5.9 v1(25.078,7.484)
VM: B1.5 J2.2 R4.2 | length 39.1
  Top Layer w0.3: J2.2 -17.733,2.205 -10.654,-4.874 R4.2 -9.5,-4.874 -9.5,-4.445 v1(-8.661,-3.607) ; B1.5 2.438,2.384 3.077,3.022 4.597,3.022 5.08,2.54 5.08,1.566 4.674,1.159 4.674,-0.686 v1(4.343,-1.016)
  Bottom Layer w0.3: v1(-8.661,-3.607) -6.375,-3.607 -5.944,-4.039 1.321,-4.039 v1(4.343,-1.016)
VSP: U1.45 U2.5 | length 55.9
  Top Layer w0.3: v1(-23.444,-1.677) -23.444,0.152 -24.333,1.041 -24.333,6.886 -24.333,7.01 -24.157,7.186 -23.719,7.412 -12.187,8.936 -11.434,8.936 -10.901,8.403 -10.651,7.188 -7.659,3.95 -6.503,2.794 -5.639,2.794 -4.128,4.305 -2.019,4.305 0.083,6.408 3.371,6.408 4.039,5.74 8.636,5.74 9.107,5.27 U2.5
  Bottom Layer w0.3: v1(-23.444,-1.677) -21.412,0.355 -19.078,0.355 U1.45
VSSA: C1.1 C2.2 C3.1 C4.1 R2.2 U1.7 | length 18.4
  Bottom Layer w0.3: R2.2 -23.139,7.928 -22.195,6.983 C4.1 -20.295,6.983 -20.284,6.994 C2.2 C2.2@-18.442,6.994 ; C3.1 -17.27,10.421 -16.83,10.211 -16.42,9.801 -16.42,8.581 -16.83,8.171 -17.842,7.594 C2.2@-18.442,6.994 ; U1.7 -15.094,6.349 -15.596,6.851 C1.1 -17.612,6.851 -17.755,6.994 C2.2@-18.442,6.994

## Polygon pours and split planes (outlines as drawn)
GND on Bottom Layer "GND_L04_P007" (solid, pour order 7): 6.58,12.316 7.8,11.096 10.156,11.394 12.667,13.905 11.462,14.688 11.462,15.037
GND on Top Layer "GND_L01_P001" (solid, pour order 1): 9.94,11.281 7.393,11.281 6.17,12.504 9.057,14.1 11.434,14.881 13.098,13.217
no net on GND (split plane): 29.249,8.365 29.249,-8.365 14.76,-16.731 0.015,-8.218 0,-8.211 -0.014,-8.202 -0.046,-8.19 -0.076,-8.177 -0.092,-8.173 -0.108,-8.167 -0.141,-8.161 -0.173,-8.154 -0.19,-8.153 -0.207,-8.151 -0.24,-8.152 -0.273,-8.151 -0.29,-8.153 -0.307,-8.154 -0.339,-8.161 -0.372,-8.167 -0.388,-8.173 -0.404,-8.177 -0.435,-8.19 -0.466,-8.202 -0.48,-8.211 -0.495,-8.218 -15.24,-16.731 -29.73,-8.365 -29.73,8.365 -15.24,16.731 -0.495,8.218 -0.48,8.211 -0.466,8.202 -0.435,8.19 -0.404,8.177 -0.388,8.173 -0.372,8.167 -0.339,8.161 -0.307,8.154 -0.29,8.153 -0.273,8.151 -0.24,8.152 -0.207,8.151 -0.19,8.153 -0.173,8.154 -0.141,8.161 -0.108,8.167 -0.092,8.173 -0.076,8.177 -0.046,8.19 -0.014,8.202 0,8.211 0.015,8.218 14.76,16.731
no net on GND2 (split plane): 29.249,8.365 29.249,-8.365 14.76,-16.731 0.015,-8.218 0,-8.211 -0.014,-8.202 -0.046,-8.19 -0.076,-8.177 -0.092,-8.173 -0.108,-8.167 -0.141,-8.161 -0.173,-8.154 -0.19,-8.153 -0.207,-8.151 -0.24,-8.152 -0.273,-8.151 -0.29,-8.153 -0.307,-8.154 -0.339,-8.161 -0.372,-8.167 -0.388,-8.173 -0.404,-8.177 -0.435,-8.19 -0.466,-8.202 -0.48,-8.211 -0.495,-8.218 -15.24,-16.731 -29.73,-8.365 -29.73,8.365 -15.24,16.731 -0.495,8.218 -0.48,8.211 -0.466,8.202 -0.435,8.19 -0.404,8.177 -0.388,8.173 -0.372,8.167 -0.339,8.161 -0.307,8.154 -0.29,8.153 -0.273,8.151 -0.24,8.152 -0.207,8.151 -0.19,8.153 -0.173,8.154 -0.141,8.161 -0.108,8.167 -0.092,8.173 -0.076,8.177 -0.046,8.19 -0.014,8.202 0,8.211 0.015,8.218 14.76,16.731

## Keep-outs
Keep-Out Layer:
  the board outline again, w0.1

## Other copper
Top Layer:
  text "GND" at 11.266,11.363 h0.89
Bottom Layer:
  text "GND" at 7.521,10.583 h1

## Silkscreen, mask and mechanical layers (free items; w line width, h text height)
Top Overlay:
  drawing of 1337 lines, arcs and shapes, not listed
  text "3V3" at -16.027,14.656 h0.51
  text "3V3" at 13.945,14.656 h0.51
  text "H19R1" at 18.242,10.83 h0.64
  text "P1" at -24.486,9.906 h0.51
  text "P2*" at -9.246,9.906 h0.51
  text "3V3" at -27.204,6.68 h0.51 r90
  text "3V3" at 27.627,6.035 h0.51
  text "3V3" at -0.787,6.02 h0.51
  text "P5" at -27.534,0.254 h0.51
  text "C" at -18.542,-5.842 h0.51
  text "D" at -16.002,-5.842 h0.51
  text "R" at -13.462,-5.842 h0.51
  text "3V3" at -1.295,-6.172 h0.51
  text "3V3" at 27.187,-7.203 h0.51
  text "3V3" at -27.711,-8.204 h0.51
  text "P4" at -23.978,-8.89 h0.51
  text "P3" at -9.754,-9.398 h0.51
  text "3V3" at -14.148,-14.656 h0.51 r180
  text "3V3" at 13.945,-14.808 h0.51
Bottom Overlay:
  text "GND" at -16.027,14.808 h0.51 r180
  text "GND" at 13.945,14.808 h0.51 r180
  text "P1" at -18.034,11.938 h0.51
  text "P2*" at -5.69,9.906 h0.51
  text "GND" at -28.372,7.036 h0.51 r90
  text "GND" at -1.295,6.172 h0.51 r180
  text "GND" at 28.973,6.072 h0.51
  text "P5" at -24.994,0.254 h0.51
  text "GND" at -1.295,-6.02 h0.51 r180
  text "GND" at -25.324,-8.204 h0.51
  text "GND" at 27.639,-8.864 h0.51
  text "P4" at -20.93,-8.89 h0.51
  text "P3" at -10.77,-11.43 h0.51
  text "GND" at 13.945,-14.148 h0.51 r180
  text "GND" at -16.535,-14.656 h0.51 r180
Top Solder:
  drawing of 17 lines, arcs and shapes, not listed
Bottom Solder:
  drawing of 17 lines, arcs and shapes, not listed
Dimensions:
  lines w0.1: -0.078,-8.66 -15.078,-17.32 -30.078,-8.66 -30.078,8.66 -15.078,17.32 -0.078,8.66

## Text inside footprints (layer, text, board x,y; h text height)
C2: Mechanical 32 "2" at -19.015,6.74 h0.51 r270; Mechanical 32 "1" at -19.015,4.886 h0.51 r270; Mechanical 33 "C40" at -19.197,7.934 h0.51 r270
C4: Mechanical 32 "2" at -21.53,5.383 h0.51 r90; Mechanical 32 "1" at -21.53,7.237 h0.51 r90; Mechanical 33 "C40" at -21.348,4.189 h0.51 r90
C6: Mechanical 32 "2" at 8.087,7.937 h0.51; Mechanical 32 "1" at 7.147,7.937 h0.51; Mechanical 33 "C633" at 10.61,7.215 h0.51 r180
C7: Mechanical 32 "2" at 7.984,2.103 h0.51; Mechanical 32 "1" at 7.044,2.103 h0.51; Mechanical 33 "C633" at 10.507,1.381 h0.51 r180
C8: Mechanical 32 "2" at 23.003,10.595 h0.51; Mechanical 32 "1" at 22.063,10.595 h0.51; Mechanical 33 "C633" at 25.526,9.873 h0.51 r180
C9: Mechanical 32 "2" at 22.037,8.209 h0.51; Mechanical 32 "1" at 21.097,8.209 h0.51; Mechanical 33 "C633" at 24.56,7.487 h0.51 r180
U2: Top Overlay "*" at 11.138,8.013 h0.51; Mechanical 13 "*" at 12.548,7.098 h0.51